# Altium PCB Trepanat.PcbDoc (part 3 of 3)
Units mm, origin at the board's own origin, x right, y up, seen from the top; angles counter-clockwise.
Board outline 250 x 222.12 mm, 4 copper layers (Top Signal Layer, Power Layer, Ground Layer, Bottom Signal Layer), stack 0.778 mm thick; 334 components, 101 nets, 1026 pads, 524 vias.
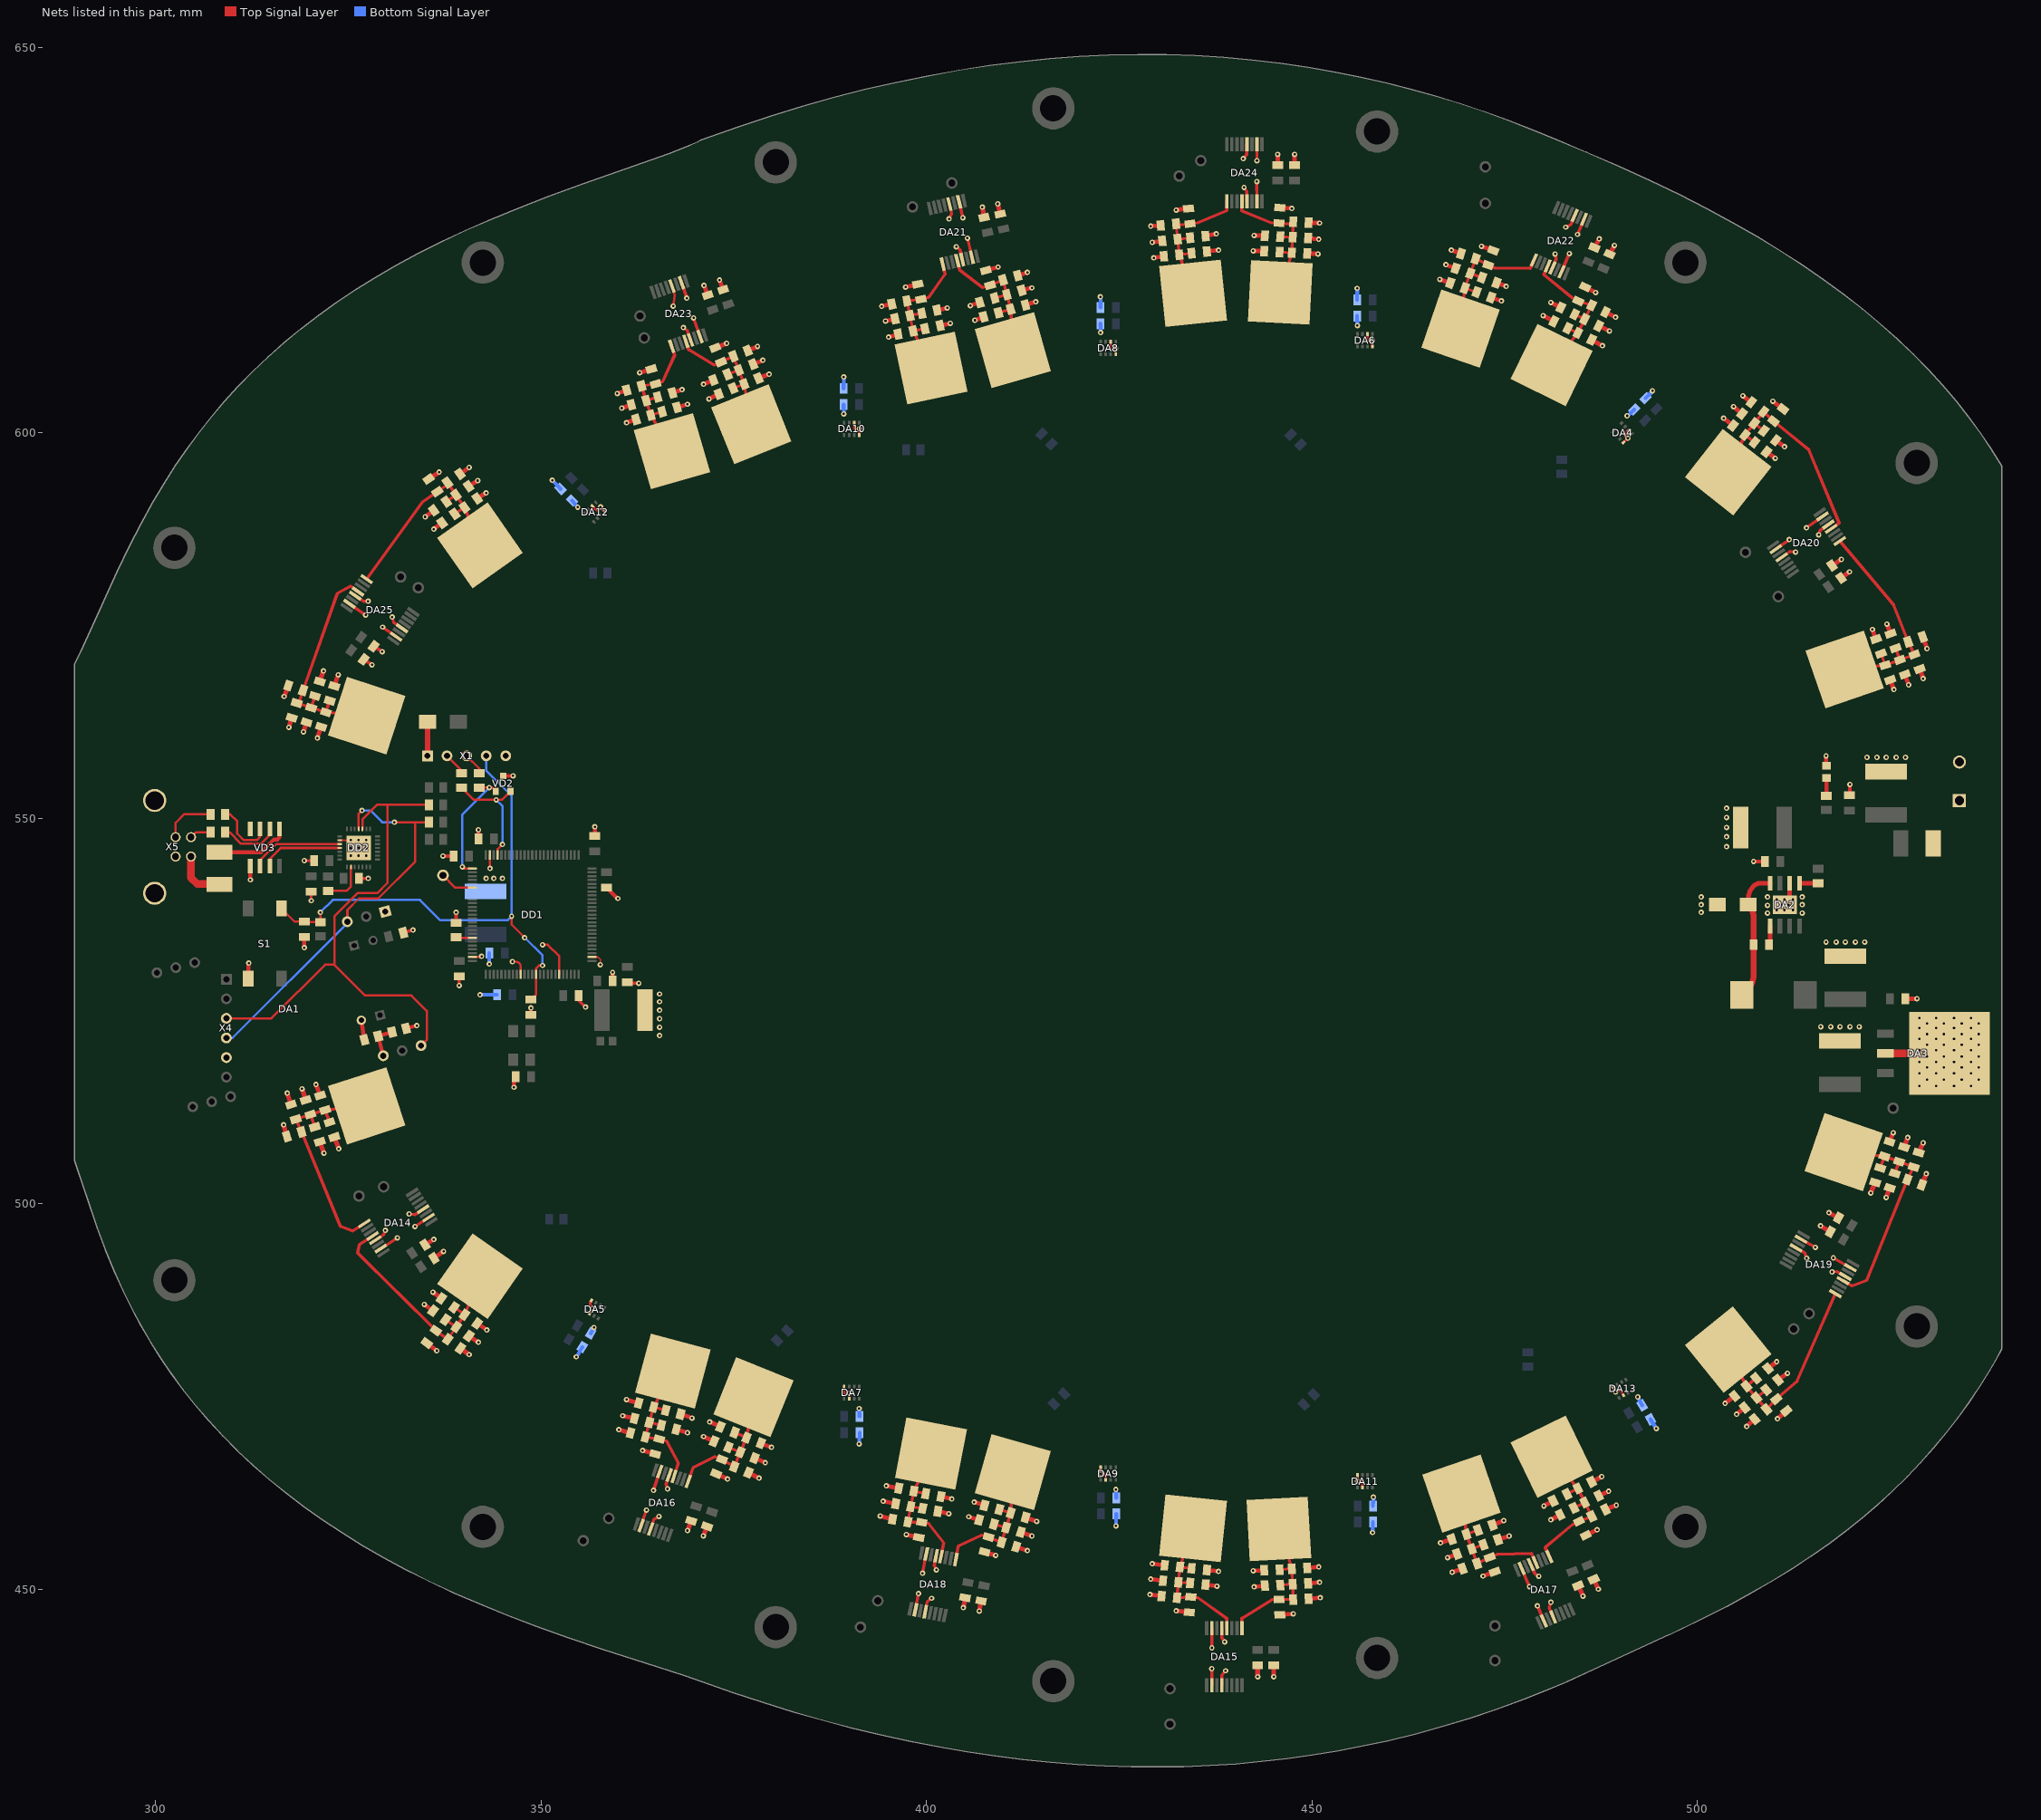
[diagram p5: the nets of this part, all layers, seen from the top]

## Via types
v1: diameter 0.7, hole 0.3, Top Signal Layer to Bottom Signal Layer, tented both sides, 512 vias
v2: diameter 1.5, hole 0.7, Top Signal Layer to Bottom Signal Layer, tented both sides, 12 vias

## Nets (pads, with @x,y where several pads share a name; then routed paths per layer and width w, separated by ;. In a path a pad name is that pad's centre, name@x,y a point inside that pad or via, vN(x,y) a via of type N, cw(c..) or ccw(c..) an arc to the next point about the centre after c; other vN are vias at no path point) (continued)
NetC23_1: C23.1 DA2.8 L2.1 VD5.1 | length 17.2
  Top Signal Layer w0.6: VD5.1@506.6,538.8 506.6,539.51 cw(c508.99,539.51) 507.3,541.2 cw(c508.217,540.283) 508.217,541.58 DA2.8@509.445,541.58
  Top Signal Layer w0.75: L2.1@505.8,527.1 506.556,527.856 ccw(c504.76,529.652) 507.3,529.652 C23.1@507.3,533.6 507.3,537.11 ccw(c504.91,537.11) VD5.1@506.6,538.8
NetC23_2: C23.2 DA2.1 | length 2.5
  Top Signal Layer w0.6: C23.2@509.2,533.6 ccw(c508.609,534.191) 509.445,534.191 DA2.1@509.445,536.02
NetC49_1: C49.1 C50.1 C51.1 C52.1 C53.1 C54.1 DA14.1 DD3.1 | length 31.4
  Top Signal Layer w0.3: C49.1@322.003,512.158 C49.1@322.013,512.158
  Top Signal Layer w0.4: C52.1@320.685,509.961 C51.1@320.103,511.558 ; C50.1@322.585,510.561 C49.1@322.003,512.158 ; DA14.1@327.108,497.443 325.575,496.475 324,497.075 C54.1@318.962,509.315 C53.1@318.203,510.958 C51.1@320.103,511.558 ; DD3.1@327.4,512.7 C49.1@322.003,512.158 ; C51.1@320.103,511.558 C49.1@322.003,512.158
NetC55_1: C55.1 C56.1 C57.1 C58.1 C59.1 C60.1 DA15.4 DD4.1 | length 21
  Top Signal Layer w0.4: C59.1@434.205,450.805 C57.1@432.695,450.895 ; C58.1@434.405,452.705 C55.1@432.895,452.895 ; DD4.1@434.6,457.9 C55.1@432.895,452.895 ; DA15.4@438.975,444.95 438.975,446.225 435.227,448.875 C60.1@434.305,448.995 C56.1@432.495,448.895 C57.1@432.695,450.895 ; C57.1@432.695,450.895 C55.1@432.895,452.895
NetC61_2: C61.2 C62.2 C63.2 C64.2 C65.2 C66.2 DA14.4 DD5.1 | length 31.9
  Top Signal Layer w0.3: C62.2@337.91,482.409 C64.2@339.01,484.009
  Top Signal Layer w0.4: DA14.4@328.17,495.807 326.475,494.725 326.225,493.625 C61.2@336.373,483.54 C62.2@337.91,482.409 ; C63.2@337.648,484.961 C64.2@339.01,484.009 C66.2@340.11,485.609 ; C65.2@338.748,486.561 C66.2@340.11,485.609 ; DD5.1@342.1,490.6 C66.2@340.11,485.609
NetC67_2: C67.2 C68.2 C69.2 C70.2 C71.2 C72.2 DA15.1 DD6.1 | length 21.5
  Top Signal Layer w0.4: DA15.1@440.925,444.95 440.925,446.225 444.82,448.625 C72.2@445.748,448.699 C69.2@447.601,448.648 C68.2@447.501,450.648 ; C70.2@445.799,452.552 C67.2@447.401,452.648 ; DD6.1@445.81,458.11 C67.2@447.401,452.648 ; C71.2@445.899,450.552 C68.2@447.501,450.648 ; C67.2@447.401,452.648 C68.2@447.501,450.648
NetC77_1: C77.1 C78.1 C79.1 C80.1 C81.1 C82.1 DA16.4 DD7.1 | length 19.5
  Top Signal Layer w0.4: C80.1@365.634,471.259 C79.1@364.066,471.641 ; C78.1@366.189,473.225 C77.1@364.621,473.607 ; DD7.1@367.1,478.3 C77.1@364.621,473.607 ; 367.553,465.492 367.825,466.325 366.3,469.2 C82.1@365.359,469.466 C81.1@363.566,469.741 C79.1@364.066,471.641 ; C79.1@364.066,471.641 C77.1@364.621,473.607
NetC83_1: C83.1 C84.1 C85.1 C86.1 C87.1 C88.1 DA17.4 DD8.1 | length 21.2
  Top Signal Layer w0.4: DD8.1@469.4,462.4 C83.1@470.046,457.126 ; C86.1@471.554,457.674 C83.1@470.046,457.126 ; C87.1@472.254,455.774 C84.1@470.746,455.226 ; DA17.4@479.003,453.458 478.5,454.625 474.025,454.5 C88.1@473.074,454.146 C85.1@471.446,453.326 C84.1@470.746,455.226 ; C83.1@470.046,457.126 C84.1@470.746,455.226
NetC89_2: C89.2 C90.2 C91.2 C92.2 C93.2 C94.2 DA16.1 DD9.1 | length 20.7
  Top Signal Layer w0.4: DA16.1@369.106,463.983 369.744,465.77 372.55,467.2 C89.2@373.475,466.827 C90.2@375.073,465.875 C92.2@375.873,467.775 ; C91.2@374.327,468.425 C92.2@375.873,467.775 ; C93.2@375.127,470.325 C94.2@376.673,469.675 ; DD9.1@377.55,474.9 C94.2@376.673,469.675 ; C92.2@375.873,467.775 C94.2@376.673,469.675
NetC95_2: C95.2 C96.2 C97.2 C98.2 C99.2 C100.2 DA17.1 DD10.1 | length 21.2
  Top Signal Layer w0.4: DA17.1@480.798,454.22 480.275,455.425 483.825,458.393 C100.2@484.662,458.799 C97.2@486.301,459.462 C96.2@485.401,461.262 ; DD10.1@481.1,467.2 C95.2@484.501,463.062 ; C98.2@483.099,462.338 C95.2@484.501,463.062 ; C99.2@483.999,460.538 C96.2@485.401,461.262 ; C95.2@484.501,463.062 C96.2@485.401,461.262
NetC105_1: C105.1 C106.1 C107.1 C108.1 C109.1 C110.1 DA18.4 DD11.1 | length 20.3
  Top Signal Layer w0.4: C109.1@399.518,460.491 C106.1@397.982,460.709 ; C108.1@399.918,462.391 C105.1@398.382,462.709 ; DD11.1@400.6,467.6 C105.1@398.382,462.709 ; DA18.4@401.9,454.22 402.25,456.025 400.303,458.5 C110.1@399.391,458.682 C107.1@397.582,458.709 C106.1@397.982,460.709 ; C106.1@397.982,460.709 C105.1@398.382,462.709
NetC111_1: C111.1 C112.1 C113.1 C114.1 C115.1 C116.1 DA19.1 DD12.1 | length 30.3
  Top Signal Layer w0.4: DD12.1@504,481.1 C111.1@506.366,476.343 ; C114.1@507.634,477.357 C111.1@506.366,476.343 ; C115.1@508.934,475.857 C112.1@507.666,474.843 ; DA19.1@517.917,488.33 512.925,476.975 C116.1@510.257,474.666 C113.1@508.966,473.343 C112.1@507.666,474.843 ; C111.1@506.366,476.343 C112.1@507.666,474.843
NetC117_2: C117.2 C118.2 C119.2 C120.2 C121.2 C122.2 DA18.1 DD13.1 | length 20.3
  Top Signal Layer w0.4: DA18.1@403.814,453.848 404.15,455.6 407.184,457.025 C122.2@408.076,456.761 C119.2@409.744,456.092 C118.2@410.344,457.992 ; C121.2@408.761,458.424 C118.2@410.344,457.992 ; C120.2@409.461,460.324 C117.2@410.944,459.892 ; DD13.1@411.2,465.2 C117.2@410.944,459.892 ; C118.2@410.344,457.992 C117.2@410.944,459.892
NetC123_2: C123.2 C124.2 C125.2 C126.2 C127.2 C128.2 DA19.4 DD14.1 | length 31.9
  Top Signal Layer w0.4: DA19.4@518.892,490.019 520.075,489.35 521.947,490.036 C128.2@527.26,503.142 C125.2@528.074,504.754 C124.2@526.174,505.454 ; DD14.1@519,506.7 C123.2@524.274,506.154 ; C126.2@523.726,504.646 C123.2@524.274,506.154 ; C127.2@525.626,503.946 C124.2@526.174,505.454 ; C123.2@524.274,506.154 C124.2@526.174,505.454
NetC133_1: C133.1 C134.1 C135.1 C136.1 C137.1 C138.1 DA20.1 DD15.1 | length 30.4
  Top Signal Layer w0.4: DA20.1@518.486,585.959 525.437,577.744 C138.1@527.354,572.874 C135.1@528.158,571.24 C134.1@526.274,570.546 ; DD15.1@519.1,569.3 C133.1@524.374,569.846 ; C136.1@523.826,571.354 C133.1@524.374,569.846 ; C137.1@525.726,572.054 C134.1@526.274,570.546 ; C133.1@524.374,569.846 C134.1@526.274,570.546
NetC139_1: C139.1 C140.1 C141.1 C142.1 C143.1 C144.1 DA21.4 DD16.1 | length 20.4
  Top Signal Layer w0.4: DA21.4@404.016,622.322 404.3,621.125 407.3,618.825 C144.1@408.276,619.139 C141.1@409.939,619.824 C140.1@410.439,617.924 ; C143.1@408.861,617.476 C140.1@410.439,617.924 ; C142.1@409.361,615.576 C139.1@410.939,616.024 ; DD16.1@411.2,610.7 C139.1@410.939,616.024 ; C140.1@410.439,617.924 C139.1@410.939,616.024
NetC145_2: C145.2 C146.2 C147.2 C148.2 C149.2 C150.2 DA20.4 DD17.1 | length 31.5
  Top Signal Layer w0.4: DD17.1@504,594.9 C148.2@506.188,599.728 ; C145.2@507.412,598.759 C148.2@506.188,599.728 ; C146.2@508.612,600.259 C149.2@507.388,601.228 ; DA20.4@517.367,587.556 518.4,588.275 514.45,597.8 C150.2@509.884,601.512 C147.2@508.588,602.728 C149.2@507.388,601.228 ; C148.2@506.188,599.728 C149.2@507.388,601.228
NetC151_2: C151.2 C152.2 C153.2 C154.2 C155.2 C156.2 DA21.1 DD18.1 | length 20.4
  Top Signal Layer w0.4: C155.2@399.422,615.492 C152.2@397.878,615.208 ; C154.2@399.822,613.492 C151.2@398.278,613.208 ; DD18.1@400.6,608.4 C151.2@398.278,613.208 ; DA21.1@402.116,621.883 402.425,620.575 400.275,617.55 C156.2@399.308,617.322 C153.2@397.478,617.108 C152.2@397.878,615.208 ; C152.2@397.878,615.208 C151.2@398.278,613.208
NetC161_1: C161.1 C162.1 C163.1 C164.1 C165.1 C166.1 DA22.4 DD19.1 | length 21
  Top Signal Layer w0.4: DA22.4@480.605,621.646 480.1,620.5 483.734,617.525 C166.1@484.562,617.101 C163.1@486.301,616.538 C162.1@485.401,614.738 ; DD19.1@481.1,608.8 C161.1@484.501,612.938 ; C164.1@483.199,613.562 C161.1@484.501,612.938 ; C165.1@484.099,615.362 C162.1@485.401,614.738 ; C161.1@484.501,612.938 C162.1@485.401,614.738
NetC167_1: C167.1 C168.1 C169.1 C170.1 C171.1 C172.1 DA23.4 DD20.1 | length 20
  Top Signal Layer w0.4: DA23.4@368.797,611.846 369.175,610.75 372.5,608.8 C172.1@373.375,609.173 C169.1@374.973,609.925 C168.1@375.673,608.125 ; C171.1@374.227,607.575 C168.1@375.673,608.125 ; C170.1@374.927,605.775 C167.1@376.373,606.325 ; DD20.1@377.3,601.1 C167.1@376.373,606.325 ; C168.1@375.673,608.125 C167.1@376.373,606.325
NetC173_2: C173.2 C174.2 C175.2 C176.2 C177.2 C178.2 DA22.1 DD21.1 | length 21.1
  Top Signal Layer w0.4: DD21.1@469.3,613.5 C173.2@469.846,618.774 ; C176.2@471.36,618.242 C173.2@469.846,618.774 ; C177.2@472.06,620.142 C174.2@470.546,620.674 ; DA22.1@478.81,622.408 478.35,621.325 473.727,621.375 C178.2@472.874,621.754 C175.2@471.246,622.574 C174.2@470.546,620.674 ; C173.2@469.846,618.774 C174.2@470.546,620.674
NetC179_2: C179.2 C180.2 C181.2 C182.2 C183.2 C184.2 DA23.1 DD22.1 | length 20.3
  Top Signal Layer w0.4: C183.2@365.139,604.624 C180.2@363.661,604.176 ; C182.2@365.739,602.724 C179.2@364.261,602.276 ; DA23.1@366.954,611.211 367.35,610.075 365.775,606.625 C184.2@364.876,606.339 C181.2@363.061,606.076 C180.2@363.661,604.176 ; DD22.1@367,597.6 C179.2@364.261,602.276 ; C180.2@363.661,604.176 C179.2@364.261,602.276
NetC189_1: C189.1 C190.1 C191.1 C192.1 C193.1 C194.1 DA24.4 DD23.1 | length 20.5
  Top Signal Layer w0.4: DA24.4@440.925,630.025 440.925,628.775 444.725,627.225 C194.1@445.748,627.201 447.563,627.002 447.584,627 C190.1@447.501,625.352 ; C192.1@445.799,623.448 C189.1@447.401,623.352 ; C193.1@445.899,625.448 C190.1@447.501,625.352 ; DD23.1@445.9,618.2 C189.1@447.401,623.352 ; C189.1@447.401,623.352 C190.1@447.501,625.352
NetC195_1: C195.1 C196.1 C197.1 C198.1 C199.1 C200.1 DA25.1 DD24.1 | length 28.5
  Top Signal Layer w0.4: DA25.1@327.399,581.011 334.63,591.014 C200.1@336.574,592.381 C197.1@337.999,593.353 ; C199.1@337.719,591.074 C196.1@338.981,591.926 ; C197.1@338,593.353 C196.1@338.981,591.926 ; C198.1@338.819,589.474 C195.1@340.081,590.326 ; DD24.1@342.1,585.4 C195.1@340.081,590.326 ; C196.1@338.981,591.926 C195.1@340.081,590.326
NetC201_2: C201.2 C202.2 C203.2 C204.2 C205.2 C206.2 DA24.1 DD25.1 | length 20.5
  Top Signal Layer w0.4: C205.2@434.205,625.295 C202.2@432.595,625.105 ; C204.2@434.405,623.295 C201.2@432.795,623.105 ; DD25.1@434.6,618.1 C201.2@432.795,623.105 ; DA24.1@438.975,630.025 438.975,628.825 435.175,627.225 C206.2@434.205,627.105 432.418,626.902 432.415,626.901 C202.2@432.595,625.105 ; C202.2@432.595,625.105 C201.2@432.795,623.105
NetC207_2: C207.2 C208.2 C209.2 C210.2 C211.2 C212.2 DA25.4 DD26.1 | length 30.4
  Top Signal Layer w0.4: C211.2@320.691,565.849 C208.2@320.209,564.351 ; C210.2@322.591,565.249 C207.2@322.109,563.751 ; DA25.4@326.281,579.413 325.3,580.1 323.575,579.15 C212.2@319.151,566.591 318.588,564.863 C208.2@320.209,564.351 ; DD26.1@327.4,563.3 C207.2@322.109,563.751 ; C208.2@320.209,564.351 C207.2@322.109,563.751
NetDA1_3: DA1.3 DD2.24 R11.2 X4.3 | length 71.9
  Top Signal Layer w0.3: X4.3@309.2,524.04 315.04,524.04 322,531 323.2,531 ; DD2.24@326.858,548.6 326.858,549.858 328.744,551.744 330.1,551.744 ; DA1.3@334.459,520.513 335.2,521.255 335.2,525 333.2,527 327.2,527 323.2,531 ; R11.2@335.474,551.744 330.1,551.744 ; 323.2,531 323.2,537.3 326.2,540.3 328.8,540.3 330.1,541.6 330.1,551.744
NetDA1_4: DA1.4 DD2.25 R10.2 X4.4 | length 51.9
  Top Signal Layer w0.3: DA1.4@324.893,536.585 324.9,536.592 324.9,538.1 326.4,539.6 328.9,539.6 333.7,544.4 333.7,549.494 ; DD2.25@326.358,548.6 326.358,550.558 v1@326.8,551 ; v1(331,549.494) 333.7,549.494 ; R10.2@335.474,549.494 333.7,549.494
  Bottom Signal Layer w0.3: X4.4@309.2,521.5 309.99,521.5 324.893,536.403 DA1.4@324.893,536.585 ; v1(326.806,551.006) 327.906,551.006 329.418,549.494 v1(331,549.494)
NetDA1_5: DA1.5 R5.2 R6.2 | length 4.5
  Top Signal Layer w0.5: DA1.5@329.552,519.199 R5.2@328.893,521.739 R6.2@330.707,522.261
NetDA2_5: DA2.5 R15.2 | length 2.4
  Top Signal Layer w0.6: DA2.5@513.255,541.58 513.26,541.575 R15.2@515.65,541.575
NetDD1_81: DD1.81 KT1.1 | length 4.5
  Top Signal Layer w0.3: KT1.1@337.3,542.6 338.9,541 DD1.81@341.125,541
NetDD1_94: DD1.94 R4.1 | length 2.2
  Top Signal Layer w0.3: R4.1@339,534.575 339,534.5 DD1.94@341.125,534.5
NetDD2_3: DD2.3 VD3.6 | length 12
  Top Signal Layer w0.3: VD3.6@313.565,543.8 313.565,544.565 315.65,546.65 DD2.3@323.908,546.65
NetDD2_4: DD2.4 VD3.7 | length 10.6
  Top Signal Layer w0.3: VD3.7@314.835,543.8 314.835,544.735 316.25,546.15 DD2.4@323.908,546.15
NetDD2_9: DD2.9 R7.2 | length 5.7
  Top Signal Layer w0.3: R7.2@322.4,540.575 324.775,540.575 325.358,541.158 DD2.9@325.358,543.7
NetFU1_1: FU1.1 X5.1 | length 6.8
  Top Signal Layer w1: X5.1@304.61,545.04 304.61,542.29 305.4,541.5 308.2,541.5 FU1.1@308.3,541.4
NetFU1_2: FU1.2 VD3.1 | length 9.7
  Top Signal Layer w0.5: FU1.2@308.3,545.6 313.721,545.6 315.372,547.25 315.85,547.25 316.1,547.5 316.1,548.595 VD3.1@316.105,548.6
NetFU2_1: FU2.1 X6.1
NetR2_2: R2.2 X1.2 | length 3.1
  Top Signal Layer w0.3: X1.2@337.82,558.1 339.7,556.22 R2.2@339.7,555.825
NetR3_2: R3.2 X1.3 | length 3
  Top Signal Layer w0.3: X1.3@340.36,558.1 342,556.46 R3.2@342,555.825
NetR5_1: R5.1 X3.2 | length 2.6
  Top Signal Layer w0.5: X3.2@326.7,523.8 R5.1@327.106,521.261
NetR12_1: R12.1 X5.2 | length 2.8
  Top Signal Layer w0.3: X5.2@304.61,547.541 305.269,548.2 R12.1@307.175,548.2
NetR12_2: R12.2 VD3.2 | length 7.7
  Top Signal Layer w0.3: R12.2@309.025,548.2 309.6,548.2 311.1,546.7 313.7,546.7 314.835,547.835 VD3.2@314.835,548.6
NetR13_1: R13.1 X5.3 | length 6.9
  Top Signal Layer w0.3: X5.3@302.61,547.541 302.61,549.41 303.7,550.5 R13.1@307.175,550.5
NetR13_2: R13.2 VD3.3 | length 8
  Top Signal Layer w0.3: R13.2@309.025,550.5 309.7,550.5 310.6,549.6 310.6,548 311.4,547.2 313.2,547.2 313.5,547.5 313.5,548.535 VD3.3@313.565,548.6
NetR14_2: R14.2 VD4.1 | length 2.3
  Top Signal Layer w0.5: R14.2@516.75,552.925 VD4.1@516.75,555.2
NetVD1_1: VD1.1 X1.1 | length 4.3
  Top Signal Layer w0.75: X1.1@335.28,558.1 335.3,558.12 VD1.1@335.3,562.4
NetVD3_4: VD3.4 X5.4
NRST: C1.1 C2.2 DD1.14 R1.1 S1.4 X1.4 | length 69.3
  Top Signal Layer w0.3: S1.4@316.35,538.3 318.05,536.6 C2.2@319.3,536.6 319.375,536.525 R1.1@321.4,536.525 v1(321.4,537.8) ; v1(346.2,537.3) 346.2,536.2 v1(347.9,534.5) ; C1.1@348.7,526.5 349.375,527.175 DD1.14@349.375,529.75 349.375,530.533 349.742,530.9 v1(350.2,530.9)
  Bottom Signal Layer w0.3: v1(321.4,537.8) 323,539.4 334.3,539.4 336.9,536.8 345.7,536.8 v1(346.2,537.3) 346.2,552.9 342.9,556.2 X1.4@342.9,558.1 ; v1(347.9,534.5) 350.2,532.2 v1(350.2,530.9)
SGND: C1.2 C2.1 C3.1 C4.1 C5.2 C6.1 C7.1 C8.1 C9.1 C10.1 C11.1 C12.1 C14.2 C15.2 C16.2 C17.1 C18.1 C19.1 C20.2 C21.2 C22.1 C24.2 C25.1 C26.2 C27.1 C28.2 C29.1 C30.1 C31.1 C32.1 C33.1 C34.1 C35.1 C36.1 C37.1 C38.1 C39.1 C40.1 C41.1 C42.1 C43.1 C44.1 C45.1 C46.1 C47.1 C48.1 C49.2 C50.2 C51.2 C52.2 C53.2 C54.2 C55.2 C56.2 C57.2 C58.2 C59.2 C60.2 C61.1 C62.1 C63.1 C64.1 C65.1 C66.1 C67.1 C68.1 C69.1 C70.1 C71.1 C72.1 C73.1 C74.1 C75.1 C76.1 C77.2 C78.2 C79.2 C80.2 C81.2 C82.2 C83.2 C84.2 C85.2 C86.2 C87.2 C88.2 C89.1 C90.1 C91.1 C92.1 C93.1 C94.1 C95.1 C96.1 C97.1 C98.1 C99.1 C100.1 C101.1 C102.1 C103.1 C104.1 C105.2 C106.2 C107.2 C108.2 C109.2 C110.2 C111.2 C112.2 C113.2 C114.2 C115.2 C116.2 C117.1 C118.1 C119.1 C120.1 C121.1 C122.1 C123.1 C124.1 C125.1 C126.1 C127.1 C128.1 C129.1 C130.1 C131.1 C132.1 C133.2 C134.2 C135.2 C136.2 C137.2 C138.2 C139.2 C140.2 C141.2 C142.2 C143.2 C144.2 C145.1 C146.1 C147.1 C148.1 C149.1 C150.1 C151.1 C152.1 C153.1 C154.1 C155.1 C156.1 C157.1 C158.1 C159.1 C160.1 C161.2 C162.2 C163.2 C164.2 C165.2 C166.2 C167.2 C168.2 C169.2 C170.2 C171.2 C172.2 C173.1 C174.1 C175.1 C176.1 C177.1 C178.1 C179.1 C180.1 C181.1 C182.1 C183.1 C184.1 C185.1 C186.1 C187.1 C188.1 C189.2 C190.2 C191.2 C192.2 C193.2 C194.2 C195.2 C196.2 C197.2 C198.2 C199.2 C200.2 C201.1 C202.1 C203.1 C204.1 C205.1 C206.1 C207.1 C208.1 C209.1 C210.1 C211.1 C212.1 C213.1 C214.1 C215.1 C216.1 DA1.2 DA2.6 DA3.2 DA3.4 DA4.1 DA4.7 DA5.1 DA5.7 DA6.1 DA6.7 DA7.1 DA7.7 DA8.1 DA8.7 DA9.1 DA9.7 DA10.1 DA10.7 DA11.1 DA11.7 DA12.1 DA12.7 DA13.1 DA13.7 DA14.5 DA14.7 DA14.10 DA14.12 DA15.5 DA15.7 DA15.10 DA15.12 DA16.5 DA16.7 DA16.10 DA16.12 DA17.5 DA17.7 DA17.10 DA17.12 DA18.5 DA18.7 DA18.10 DA18.12 DA19.5 DA19.7 DA19.10 DA19.12 DA20.5 DA20.7 DA20.10 DA20.12 DA21.5 DA21.7 DA21.10 DA21.12 DA22.5 DA22.7 DA22.10 DA22.12 DA23.5 DA23.7 DA23.10 DA23.12 DA24.5 DA24.7 DA24.10 DA24.12 DA25.5 DA25.7 DA25.10 DA25.12 DD1.10 DD1.20 DD1.27 DD1.74 DD1.99 DD2.2 R4.2 R6.1 S1.1 VD2.3 VD3.5 VD4.2 VD5.2 X1.5 X4.5 X6.2 | length 458.5
  Top Signal Layer w0.2: DD2.2@323.908,547.15 324.306,547.15 cw(c324.306,544.61) 326.102,546.407 DD2.2@326.358,546.15 ; DD1.27@356.625,532 357.4,532 357.7,531.7 v1(357.7,531)
  Top Signal Layer w0.28: DD1.74@343.375,545.25 343.375,543.525 v1(343.4,543.5) ; v1(346.3,531.4) 346.717,531.4 cw(c346.717,530.717) 347.2,531.2 cw(c346.777,530.777) 347.375,530.777 DD1.10@347.375,529.75
  Top Signal Layer w0.3: DD1.99@341.125,532 342.2,532 v1(342.3,532.1) ; v1(350.2,533.6) 350.875,533.6 352.375,532.1 DD1.20@352.375,529.75 ; v1(367.159,616.429) 367.337,617.8 DA23.12@367.244,618.3
  Top Signal Layer w0.35: DA5.7@356.319,485.77 v1(356.7,486.4) cw(c357.424,487.124) 356.4,487.124 356.4,487.2 DA5.1@356.556,487.48 ; DA12.7@356.664,590.495 357.078,590.082 ccw(c357.275,590.279) 357.275,590 ccw(c357.275,590.181) 357.403,590.053 v1(357.725,590.375) ccw(c357.776,590.375) 357.74,590.339 DA12.1@358.255,589.824 ; DA7.1@389.325,476.3 389.325,475.55 ccw(c389.375,475.55) 389.375,475.5 ccw(c389.45,475.5) 389.45,475.425 v1(389.975,475.425) DA7.7@389.975,474.7 ; DA10.7@390.625,601.3 390.625,600.741 ccw(c390.966,600.741) 390.725,600.5 v1(391.275,600.5) DA10.1@391.275,599.7 ; DA9.1@422.625,465.8 v1(422.625,465) 422.898,465 cw(c422.898,464.573) 423.2,464.875 cw(c423.019,464.694) 423.275,464.694 DA9.7@423.275,464.2 ; DA8.7@423.925,611.8 423.925,611.181 ccw(c424.181,611.181) 424,611 ccw(c424.121,611.121) 424.121,610.95 v1(424.575,610.95) DA8.1@424.575,610.2 ; DA11.1@455.929,464.8 455.929,464.004 v1(455.925,464) 456.344,464 cw(c456.344,463.744) 456.525,463.925 cw(c456.395,463.795) 456.579,463.795 DA11.7@456.579,463.2 ; DA6.7@457.229,612.8 457.229,612.186 ccw(c457.386,612.186) 457.275,612.075 ccw(c457.516,612.316) 457.516,611.975 v1(457.875,611.975) 457.875,611.204 DA6.1@457.879,611.2 ; DA13.1@489.056,476.205 v1(489.4,475.575) 489.725,475.75 cw(c489.785,475.69) 489.785,475.775 489.95,475.775 cw(c489.95,475.654) 490.035,475.74 490.125,475.65 DA13.7@490.419,475.145 ; DA4.1@490.424,598.745 v1(491,599.3) 490.65,599.6 cw(c490.831,599.781) 490.575,599.781 490.575,599.85 490.675,599.95 DA4.7@491.095,600.336
  Top Signal Layer w0.4: v1@319.3,544.5 C19.1@320.6,544.5 ; v1@320.2,539.3 C18.1@320.2,540.5 ; DA25.7@325.162,577.816 v1(327.266,576.355) ; DA25.5@325.908,578.881 326.972,578.15 v1(327.589,578.157) ; C20.2@326.4,542.2 v1@327.6,542.2 ; DA14.5@328.524,495.262 329.6,495.975 v1(329.825,496.55) ; DA14.7@329.232,494.172 v1(331.375,495.575) ; v1@329.495,574.775 DA25.10@331.224,573.572 ; v1(330.711,576.102) 330.89,575.392 DA25.12@331.969,574.637 ; v1(332.9,498.675) 333.625,498.575 DA14.12@334.73,499.293 ; v1(333.675,497.05) DA14.10@335.438,498.202 ; v1(339.4,528.3) C12.1@339.4,529.5 ; C7.1@354.9,527 354.9,526.4 v1(355.8,525.5) ; C9.1@361.27,528.6 v1(362.7,528.6) ; DA16.10@363.009,458.256 v1@363.689,460.249 ; DA16.12@364.238,457.832 364.667,459.078 v1(365.3,459.446) ; v1(364.593,462.828) DA16.7@365.418,465.252 ; v1(366.415,463.013) 366.238,463.605 DA16.5@366.647,464.829 ; DA23.10@368.232,619.477 v1@368.923,617.488 ; v1(368.477,613.631) 368.981,613.274 DA23.5@369.412,612.057 ; v1(369.798,614.899) DA23.7@370.641,612.481 ; DA18.10@398.574,447.328 v1@398.97,449.397 ; v1(399.506,452.076) DA18.7@399.986,454.592 ; DA18.12@399.85,447.08 400.101,448.373 v1(400.677,448.825) ; DA18.5@401.262,454.344 401.027,453.075 v1(401.284,452.514) ; v1(402.939,627.747) 403.281,628.394 DA21.12@402.984,629.678 ; v1(403.884,624.131) 404.347,623.723 DA21.5@404.649,622.468 ; DA21.10@404.251,629.971 v1@404.731,627.92 ; v1(405.33,625.254) DA21.7@405.916,622.76 ; v1@437.019,439.656 DA15.10@437.025,437.55 ; DA15.7@437.025,444.95 v1(437.034,442.389) ; DA15.12@438.325,437.55 438.325,438.868 v1(438.804,439.421) ; DA15.5@438.325,444.95 438.337,443.659 v1(438.696,443.157) ; v1(441.096,635.554) 441.575,636.107 DA24.12@441.575,637.425 ; v1(441.204,631.817) 441.563,631.316 DA24.5@441.575,630.025 ; v1(442.866,632.586) DA24.7@442.875,630.025 ; DA24.10@442.875,637.425 v1@442.881,635.319 ; DA17.7@477.208,452.696 v1(478.218,450.342) ; DA17.5@478.405,453.204 478.92,452.02 v1(479.447,451.699) ; v1@479.271,447.821 DA17.10@480.1,445.884 ; v1(481.006,448.302) 480.782,447.605 DA17.12@481.297,446.392 ; DA22.5@481.203,621.392 481.697,622.585 v1(481.562,623.187) ; DA22.7@482.4,620.884 v1(483.392,623.246) ; v1(482.923,626.668) 483.58,626.991 DA22.12@484.095,628.204 ; v1@484.474,625.755 DA22.10@485.292,627.696 ; DA20.10@510.187,584.909 v1@511.909,586.122 ; DA20.12@510.933,583.844 512.012,584.6 v1(512.74,584.525) ; DA19.12@512.808,494.281 513.949,493.623 v1(514.189,492.931) ; DA19.10@513.458,495.407 v1@515.285,494.36 ; v1(514.156,587.676) DA20.7@516.249,589.153 ; v1(515.739,586.756) 515.944,587.339 DA20.5@516.994,588.088 ; v1(517.479,491.156) 518.093,491.217 DA19.5@519.217,490.581 ; v1(517.644,492.98) DA19.7@519.867,491.707
  Top Signal Layer w0.5: S1.1@312.05,529.2 312.05,531.15 v1(312.1,531.2) ; VD3.5@312.295,543.8 312.295,542.005 v1@312.3,542 ; v1(319.3,533.2) C2.1@319.3,534.6 ; C216.1@327.009,570.612 v1(328.1,569.9) ; C215.1@328.309,572.312 v1(329.4,571.6) ; C17.1@332.166,535.159 v1@333.4,535.5 ; R6.1@332.494,522.739 v1(333.9,523.1) ; v1(337.3,545.1) C11.1@338.7,545.1 ; R4.2@339,536.425 v1(339,537.8) ; C4.1@341.9,547.3 v1(341.9,548.5) ; VD2.3@345.1,555.5 v1(346.4,555.5) ; v1(346.5,515.1) 346.5,516.447 C15.2@346.553,516.5 ; C1.2@348.7,524.5 v1@348.7,525.5 ; C10.1@357,547.7 v1(357,548.9) ; C3.1@358.5,541 359.9,539.6 v1(360,539.6) ; C8.1@359.3,528.9 v1(359.3,530) ; v1(507.3,544.4) C25.1@508.75,544.4 ; v1(516.7,558.1) 516.7,556.85 VD4.2@516.75,556.8 ; C22.1@519.75,553 519.8,553.05 v1(519.8,554.4)
  Top Signal Layer w0.6: v1(316.626,510.247) C54.2@317.049,508.731 ; v1(316.7,565.8) C212.1@317.249,567.209 ; v1(317.098,514.34) C53.2@317.585,512.861 ; v1(317.3,561.8) C209.1@317.691,563.049 ; v1(319.008,514.906) C51.2@319.485,513.461 ; v1(319.2,561.2) C208.1@319.591,562.449 ; v1(320.818,515.475) C49.2@321.385,514.061 ; v1(321,560.4) C207.1@321.491,561.849 ; C52.2@321.303,508.058 v1(321.863,506.555) ; C211.1@321.309,567.751 v1(321.8,569.1) ; C50.2@323.203,508.658 v1(323.773,507.122) ; C210.1@323.209,567.151 v1(323.7,568.6) ; v1(334.885,486.931) C63.1@336.01,486.109 ; C73.1@334.967,494.683 v1(336.116,495.375) ; v1(335,589.1) C199.2@336.081,589.926 ; C61.1@335.197,481.922 v1(336.485,480.931) ; C200.2@335.426,594.019 v1(336.8,594.9) ; v1(335.985,488.531) C65.1@337.11,487.709 ; v1(336.1,587.5) C198.2@337.181,588.326 ; C74.1@336.125,492.926 v1(337.366,493.825) ; C197.2@339.519,594.674 v1(340.7,595.5) ; C62.1@339.548,481.261 v1(340.685,480.431) ; C196.2@340.619,593.074 v1(341.8,593.8) ; C64.1@340.648,482.861 v1(341.885,482.031) ; C195.2@341.719,591.474 v1(342.9,592.2) ; C66.1@341.748,484.461 v1(342.985,483.631) ; v1(359.9,605.1) C181.1@361.139,605.524 ; v1(360.1,470.7) C81.2@361.634,470.259 ; v1(360.5,603.2) C180.1@361.739,603.624 ; v1(360.6,472.5) C79.2@362.134,472.159 ; v1(361.1,474.6) C77.2@362.689,474.125 ; v1(361.1,601.3) C179.1@362.339,601.724 ; v1(362.8,607.8) C184.1@364.324,608.261 ; v1(363.2,468) C82.2@364.841,467.534 ; C183.1@367.061,605.176 v1(368.3,605.6) ; C80.2@367.566,470.741 v1(369,470.3) ; C182.1@367.661,603.276 v1(369,603.7) ; C78.2@368.121,472.707 v1(369.6,472.2) ; v1(369.019,457.608) C102.1@369.493,458.862 ; v1(371.069,456.908) C101.1@371.543,458.137 ; v1(371.1,469.8) C91.1@372.473,469.175 ; v1(371.1,606.3) C171.2@372.373,606.825 ; v1(371.165,619.108) C187.1@371.64,617.853 ; v1(371.8,604.4) C170.2@373.073,605.025 ; v1(371.9,471.7) C93.1@373.273,471.075 ; C172.2@372.625,611.027 v1(374.1,611.6) ; C89.1@372.725,464.973 v1(374.2,464.3) ; v1(373.165,619.808) C188.1@373.64,618.553 ; C169.2@376.827,610.675 v1(378.1,611.2) ; C90.1@376.927,465.125 v1(378.3,464.4) ; C168.2@377.527,608.875 v1(378.8,609.4) ; C92.1@377.727,467.025 v1(379.1,466.4) ; C167.2@378.227,607.075 v1(379.6,607.6) ; C94.1@378.527,468.925 v1(379.9,468.4) ; v1(394,459.5) C107.2@395.618,459.091 ; v1(394.2,616.4) C153.1@395.522,616.692 ; v1(394.4,461.4) C106.2@396.018,461.091 ; v1(394.7,614.5) C152.1@395.922,614.792 ; v1(394.8,463.4) C105.2@396.418,463.091 ; v1(395.1,612.4) C151.1@396.322,612.792 ; v1(397.3,618.9) C156.1@398.892,619.278 ; v1(397.4,457.1) C110.2@399.009,456.718 ; C155.1@401.378,615.908 v1(402.7,616.2) ; C109.2@401.482,460.109 v1(402.9,459.8) ; C154.1@401.778,613.908 v1(403.1,614.2) ; C108.2@401.882,462.009 v1(403.3,461.7) ; v1(404.785,447.6) C130.1@405.019,448.893 ; v1(405.5,459.4) C121.1@406.839,458.976 ; v1(405.7,616.5) C143.2@406.939,616.924 ; v1(406.2,461.3) C120.1@407.539,460.876 ; v1(406.3,614.6) C142.2@407.439,615.024 ; v1(406.86,447.175) C129.1@407.094,448.493 ; v1(407.262,629.261) C159.1@407.478,627.942 ; C122.1@407.524,454.839 v1(409,454.4) ; C144.2@407.724,621.061 v1(409.3,621.5) ; v1(409.255,629.695) C160.1@409.57,628.379 ; C119.1@411.656,455.508 v1(413.1,455) ; C141.2@411.861,620.376 v1(413.1,620.8) ; C118.1@412.256,457.408 v1(413.7,456.9) ; C140.2@412.361,618.476 v1(413.7,618.8) ; C117.1@412.856,459.308 v1(414.3,458.8) ; C139.2@412.861,616.576 v1(414.2,617) ; v1(429,449.3) C56.2@430.505,449.105 ; v1(429.1,451.3) C57.2@430.705,451.105 ; v1(429.1,626.8) C203.1@430.405,626.895 ; v1(429.3,453.3) C55.2@430.905,453.105 ; v1(429.3,624.7) C202.1@430.605,624.895 ; v1(429.5,622.7) C201.1@430.805,622.895 ; v1(432.4,447.2) C60.2@434.095,447.005 ; v1(432.4,628.9) C206.1@433.995,629.095 ; C59.2@436.195,450.595 v1(437.7,450.4) ; C205.1@436.195,625.505 v1(437.6,625.8) ; C58.2@436.395,452.495 v1(437.9,452.3) ; C204.1@436.395,623.505 v1(437.9,623.7) ; v1(442.4,452.4) C70.1@443.801,452.448 ; v1(442.4,623.6) C192.2@443.801,623.552 ; v1(442.5,450.3) C71.1@443.901,450.448 ; v1(442.5,625.6) C193.2@443.901,625.552 ; v1(442.971,438.65) C76.1@442.971,440.15 ; v1(445.071,438.65) C75.1@445.071,440.15 ; C213.1@445.575,634.704 v1(445.575,636.104) ; C72.1@445.852,446.701 v1(447.6,446.8) ; C194.2@445.852,629.199 v1(447.4,629.1) ; C214.1@447.775,634.704 v1(447.775,636.104) ; C67.1@449.399,452.752 v1(450.9,452.9) ; C189.2@449.399,623.248 v1(450.8,623.2) ; C68.1@449.499,450.752 v1(451,450.9) ; C190.2@449.499,625.248 v1(450.9,625.1) ; C69.1@449.599,448.752 v1(451.1,448.9) ; C191.2@449.599,627.248 v1(451,627.2) ; v1(466.6,619.9) C173.1@467.954,619.426 ; v1(466.7,456) C83.2@468.154,456.474 ; v1(467.4,621.8) C174.1@468.654,621.326 ; v1(467.6,454.1) C84.2@468.854,454.574 ; v1(468.1,623.7) C175.1@469.354,623.226 ; v1(468.2,452.2) C85.2@469.554,452.674 ; v1(472,624.2) C178.1@473.526,623.646 ; v1(472.2,451.7) C88.2@473.726,452.254 ; C176.1@473.24,617.558 v1(474.6,617.1) ; C86.2@473.446,458.326 v1(474.9,458.9) ; C177.1@473.94,619.458 v1(475.2,619) ; C87.2@474.146,456.426 v1(475.6,456.9) ; v1(480,615.2) C164.2@481.401,614.438 ; v1(480.1,460.8) C98.1@481.301,461.462 ; v1(481,459) C99.1@482.201,459.662 ; v1(481,616.9) C165.2@482.301,616.238 ; C104.1@484.55,450.471 v1(485.175,449.098) ; C166.2@485.438,618.899 v1(486.8,618.2) ; C100.1@485.538,457.001 v1(487,457.7) ; C95.1@486.299,463.938 v1(487.6,464.6) ; C161.2@486.299,612.062 v1(487.7,611.3) ; C103.1@486.566,451.278 v1(487.175,449.998) ; C185.1@486.666,624.021 v1(487.275,625.15) ; C96.1@487.199,462.138 v1(488.5,462.7) ; C162.2@487.199,613.862 v1(488.6,613.2) ; C97.1@488.099,460.338 v1(489.5,460.9) ; C163.2@488.099,615.662 v1(489.4,615) ; C186.1@488.616,623.171 v1(489.25,624.3) ; v1(503.4,601.9) C148.1@504.612,600.959 ; v1(503.6,474.1) C111.2@504.834,475.057 ; v1(504.7,603.4) C149.1@505.812,602.459 ; v1(505.1,472.7) C112.2@506.134,473.557 ; v1(505.9,604.8) C147.1@507.012,603.959 ; v1(506.4,471.1) C113.2@507.434,472.057 ; C145.1@508.988,597.528 v1(510.1,596.7) ; C114.2@509.166,478.643 v1(510.3,479.5) ; v1(509.8,604.1) C150.1@511.116,603.088 ; C146.1@510.188,599.028 v1(511.3,598.2) ; v1(510.4,472.1) C116.2@511.543,473.134 ; C115.2@510.466,477.143 v1(511.7,478) ; DA2.6@511.35,538.8 511.985,539.435 DA2.6@511.985,541.58 ; v1(515.992,497.123) C131.1@517.248,496.36 ; v1(517.062,498.842) C132.1@518.317,498.178 ; C158.1@517.473,582.786 v1(518.678,583.577) ; C157.1@518.645,581.165 v1(519.75,581.958) ; v1(522.5,501.4) C126.1@523.074,502.754 ; v1(522.7,574.5) C136.2@523.174,573.246 ; v1(524.5,500.8) C127.1@524.974,502.054 ; v1(524.6,575.2) C137.2@525.074,573.946 ; C123.1@524.926,508.045 v1(525.4,509.2) ; C133.2@525.026,567.954 v1(525.5,566.7) ; C124.1@526.826,507.346 v1(527.3,508.6) ; C134.2@526.926,568.654 v1(527.4,567.3) ; C27.1@527,526.6 v1(528.5,526.6) ; C125.1@528.726,506.646 v1(529.3,507.9) ; C135.2@528.842,569.36 v1(529.3,568.1) ; C128.1@529.14,502.458 v1(529.7,503.9) ; C138.2@529.246,573.526 v1(529.8,572)
  Top Signal Layer w1: DA3.2@524.4,519.5 DA3.4@532.715,519.5
  Bottom Signal Layer w0.5: v1(342.1,527.1) C16.2@344.3,527.1 ; v1(343.3,531.1) C6.1@343.3,532.5 ; v1@351.5,593.8 C46.1@352.543,592.718 ; C45.1@354.043,591.218 v1(354.775,590.341) ; v1@354.6,480.1 C31.1@355.366,481.4 ; C32.1@356.466,483.2 v1@356.9,483.9 ; C41.1@389.275,603.65 v1@389.3,602.5 ; C42.1@389.275,605.75 v1@389.3,607.2 ; v1@391.3,468.8 C35.1@391.35,470.3 ; v1@391.3,473.4 C36.1@391.325,472.4 ; C37.1@422.575,614.15 v1@422.6,613.2 ; C38.1@422.575,616.25 v1@422.6,617.6 ; v1@424.6,458.4 C39.1@424.625,459.775 ; v1@424.6,462.9 C40.1@424.625,461.85 ; C33.1@455.875,615.15 v1@455.9,614.1 ; C34.1@455.875,617.25 v1@455.9,618.7 ; v1@457.9,457.3 457.9,457.4 C43.1@457.925,458.7 ; C44.1@457.925,460.8 v1@458,461.9 ; v1(490.9,602.2) 491.011,602.2 C29.1@491.818,603.007 ; v1@492.3,474.9 C48.1@492.841,473.85 ; C30.1@493.293,604.482 v1@494.2,605.4 ; C47.1@493.941,472.05 v1@494.7,470.8
  other v1: 437.021,439.684 479.262,447.847 398.977,449.424 457.875,457.341 424.6,458.2 363.7,460.275 457.975,461.941 424.575,462.941 391.275,468.841 494.675,470.841 391.275,473.441 492.275,474.941 354.575,480.141 356.875,483.941 515.309,494.344 528.8,515.3 531,515.3 533.3,515.3 535.5,515.3 529.8,516.1 532,516.1 534.3,516.1 536.5,516.1 528.8,516.9 531,516.9 533.3,516.9 535.5,516.9 529.8,517.7 532,517.7 534.3,517.7 536.5,517.7 528.8,518.4 531,518.4 533.3,518.4 535.5,518.4 529.8,519.1 532,519.1 534.3,519.1 536.5,519.1 528.8,519.9 531,519.9 533.3,519.9 535.5,519.9 529.8,520.6 532,520.6 534.3,520.6 536.5,520.6 528.8,521.4 531,521.4 533.3,521.4 535.5,521.4 365.4,521.8 529.8,522 532,522 534.3,522 536.5,522 528.8,522.8 531,522.8 533.3,522.8 535.5,522.8 365.4,522.9 516,522.95 517.3,522.95 518.5,522.95 519.8,522.95 521,522.95 529.8,523.4 532,523.4 534.3,523.4 536.5,523.4 365.4,524 528.8,524.1 531,524.1 533.3,524.1 535.5,524.1 365.4,525.1 348.7,525.4 365.4,526.2 365.4,527.2 516.7,533.95 518,533.95 519.2,533.95 520.5,533.95 521.7,533.95 333.406,535.506 509.1,537.7 513.6,537.7 500.5,537.8 510.3,538.1 511.3,538.1 512.4,538.1 509.1,538.7 500.5,538.8 510.8,538.8 511.8,538.8 513.6,538.8 320.206,539.306 510.3,539.5 511.3,539.5 512.4,539.5 500.5,539.8 509.1,539.8 513.6,539.8 312.306,542.006 342.9,542.2 343.9,542.2 345,542.2 327.606,542.206 319.306,544.506 325.358,545.15 326.359,545.15 327.358,545.15 325.358,546.15 326.352,546.157 327.358,546.15 503.8,546.3 325.346,547.158 326.346,547.158 327.346,547.158 503.8,547.6 503.8,548.8 503.8,550.1 503.8,551.3 522,557.9 523.3,557.9 524.5,557.9 525.8,557.9 527,557.9 329.473,574.793 511.933,586.136 351.475,593.841 389.275,602.441 494.175,605.441 389.275,607.241 422.6,613 455.9,613.9 368.931,617.461 422.575,617.641 455.875,618.741 484.461,625.73 404.735,627.892 442.879,635.291
SWCLK: DD1.76 R3.1 VD2.1 | length 15.5
  Top Signal Layer w0.3: v1(339.8,543.7) 340,543.5 DD1.76@341.125,543.5 ; R3.1@342,553.975 v1(343.3,553.975) 343.675,553.975 VD2.1@344.15,553.5
  Bottom Signal Layer w0.3: v1(339.8,543.7) 339.8,550.475 v1(343.3,553.975)
SWDIO: DD1.72 R2.1 VD2.2 | length 15.2
  Top Signal Layer w0.3: R2.1@339.7,553.975 341.275,552.4 v1(344.2,552.4) 344.95,552.4 VD2.2@346.05,553.5 ; DD1.72@344.375,545.25 344.375,545.995 344.98,546.6 v1(345,546.6)
  Bottom Signal Layer w0.3: v1(344.2,552.4) 345,551.6 v1(345,546.6)
pads on no net: DA1. DA2.2 DA2.3 DA14.2 DA14.3 DA14.14 DA14.15 DA15.2 DA15.3 DA15.14 DA15.15 DA16.2 DA16.3 DA16.14 DA16.15 DA17.2 DA17.3 DA17.14 DA17.15 DA18.2 DA18.3 DA18.14 DA18.15 DA19.2 DA19.3 DA19.14 DA19.15 DA20.2 DA20.3 DA20.14 DA20.15 DA21.2 DA21.3 DA21.14 DA21.15 DA22.2 DA22.3 DA22.14 DA22.15 DA23.2 DA23.3 DA23.14 DA23.15 DA24.2 DA24.3 DA24.14 DA24.15 DA25.2 DA25.3 DA25.14 DA25.15 DD1.7 DD1.8 DD1.9 DD1.25 DD1.26 DD1.29 DD1.37 DD1.44 DD1.45 DD1.46 DD1.47 DD1.48 DD1.63 DD1.64 DD1.65 DD1.66 DD1.67 DD1.70 DD1.71 DD1.77 DD1.78 DD1.79 DD1.80 DD1.82 DD1.83 DD1.84 DD1.85 DD1.86 DD1.87 DD1.88 DD1.89 DD1.90 DD1.91 DD1.92 DD1.93 DD1.95 DD1.96 DD1.97 DD2.1 DD2.10 DD2.11 DD2.12 DD2.13 DD2.14 DD2.15 DD2.16 DD2.17 DD2.18 DD2.19 DD2.20 DD2.21 DD2.22 DD2.23 DD2.26 DD2.27 DD2.28 S1.2 S1.3 X4.2 X4.6 Z1.

## Polygon pours and split planes (outlines as drawn)
SGND on Top Signal Layer "Top Layer-No Net" (solid, remove dead copper, pour order 47): 362.447,527.947 362.447,521.4 366.1,521.4 366.1,527.947
NetVD3_4 on Top Signal Layer "Top Layer-No Net" (solid, remove dead copper, pour order 45): 303.679,546.3 303.679,537.8 289.959,537.8 289.959,555.4 313,555.4 313,547.7 311.6,547.7 311.6,551.9 301.9,551.9 301.9,547.4 301.9,546.3
3,3B on Top Signal Layer "Top Layer-No Net" (solid, remove dead copper, pour order 41): 526.6,518.2 513.672,518.2 513.672,512.4 516.213,512.4 524.3,510.2 526.7,511.52 526.7,518.2
SGND on Top Signal Layer "Top Layer-No Net" (solid, remove dead copper, pour order 17): 515.3,519.45 515.3,523.55 521.7,523.55 521.7,519.45
SGND on Top Signal Layer "Top Layer-No Net" (solid, remove dead copper, pour order 15): 516,530.45 516,534.55 522.4,534.55 522.4,530.45
SGND on Top Signal Layer "Top Layer-No Net" (solid, remove dead copper, pour order 13): 504.5,540.3 504.5,537.34 499.9,537.34 499.9,540.3
SGND on Top Signal Layer "Top Layer-No Net" (solid, remove dead copper, pour order 11): 508.7,540.4 514.1,540.4 514.1,537.2 508.7,537.2
SGND on Top Signal Layer "Top Layer-No Net" (solid, remove dead copper, pour order 9): 507.3,545.6 503.2,545.6 503.2,552 507.3,552
SGND on Top Signal Layer "Top Layer-No Net" (solid, remove dead copper, pour order 7): 521.3,554.4 521.3,558.5 527.7,558.5 527.7,554.4
5B on Top Signal Layer "Top Layer-No Net" (solid, remove dead copper, pour order 3): 511,524.5 522.6,524.5 522.6,520.8 526.1,520.8 526.1,530 511,530
5IN on Top Signal Layer "Top Layer-No Net" (solid, remove dead copper, pour order 1): 528.5,544 528.5,552.1 509.6,552.1 509.6,542.9 516.8,542.9 516.8,544.6 513.4,544.6 513.4,548.5 524,548.5 524,544
NetFU2_1 on Top Signal Layer "Top Layer-No Net" (solid, remove dead copper, pour order 0): 529,555.7 539.5,555.7 539.5,544 529,544
3,3B on Power Layer "Top Layer-No Net" (solid, remove dead copper, pour order 21): 525.5,518.25 509.753,518.25 499.25,518.25 499.25,553.2 515.3,553.2 515.3,559.3 539.5,559.3 539.5,642.097 535.015,642.121 430.058,649.74 285.595,649.739 284.916,521.4 284.916,501.033 320.642,445.192 362.009,426.041 540.362,426.041 539.5,518.25
SGND on Ground Layer "Top Layer-No Net" (solid, remove dead copper, pour order 19): 540.497,426.25 283.8,426.25 283.8,515.43 283.348,650 540,650
SGND on Bottom Signal Layer "Top Layer-No Net" (solid, remove dead copper, pour order 43): 345.549,539 339.5,539 339.5,542.8 345.549,542.8

## Keep-outs
Keep-Out Layer:
  lines w0.2: 289.5,505.621 289.5,570 290.342,571.67 291.58,574.359 295.03,582.01 296.596,585.254 298.135,588.232 299.626,590.918 301.124,593.433 302.621,595.772 304.14,597.984 305.691,600.09 307.277,602.097 308.895,604.007 310.723,606.015 312.611,607.944 314.604,609.838 316.685,611.68 318.853,613.467 321.118,615.208 323.488,616.906 325.951,618.551 328.524,620.151 331.232,621.723 334.056,623.249 337.02,624.742 340.178,626.226 343.505,627.684 347.098,629.158 351.007,630.663 355.493,632.296 366.541,636.209 369.087,637.202 370.342,637.746 370.865,638 373.202,638.851 375.532,639.668 379.768,641.071 383.958,642.354 388.102,643.517 392.203,644.565 396.261,645.498 400.279,646.319 404.257,647.029 408.197,647.631 412.102,648.126 415.972,648.514 419.808,648.798 423.613,648.979 427.389,649.058 431.135,649.034 434.855,648.91 438.549,648.686 442.219,648.362 445.867,647.937 449.493,647.414 453.1,646.79 456.33,646.144 459.547,645.416 462.751,644.607 465.942,643.715 469.123,642.741 472.294,641.684 475.455,640.542 478.616,639.313 481.761,638 485.602,636.396 489.885,634.537 493.899,632.706 497.672,630.888 501.224,629.077 504.596,627.254 507.779,625.429 510.809,623.584 513.672,621.732 516.393,619.858 518.975,617.965 521.417,616.057 523.741,614.12 525.939,612.165 528.013,610.191 529.978,608.188 531.834,606.157 533.581,604.104 535.223,602.025 536.761,599.918 538.159,597.847 539.5,595.686 539.5,481.153 538.706,479.714 537.889,478.316 536.598,476.249 535.215,474.196 533.759,472.185 532.233,470.222 530.63,468.295 528.962,466.42 527.237,464.604 525.261,462.665 523.374,460.937 521.4,459.246 519.321,457.581 517.128,455.936 514.819,454.315 512.366,452.702 509.753,451.092 506.943,449.468 503.837,447.786 500.31,445.99 496.378,444.099 486.558,439.608 483.147,438 480.32,436.817 477.478,435.7 473.986,434.427 470.476,433.255 466.949,432.184 463.402,431.213 459.834,430.342 456.605,429.642 453.356,429.023 450.087,428.484 446.798,428.025 443.486,427.646 440.152,427.348 436.793,427.13 433.409,426.994 429.998,426.94 426.56,426.968 423.093,427.079 419.596,427.274 416.068,427.554 412.508,427.92 408.914,428.373 405.286,428.914 401.623,429.544 397.922,430.266 394.184,431.079 390.406,431.987 386.588,432.99 382.729,434.09 378.826,435.289 374.856,436.597 370.865,438 368.664,438.775 365.04,439.954 358.038,442.202 353.499,443.728 349.392,445.192 345.549,446.654 341.983,448.104 338.662,449.55 335.506,451.024 332.473,452.545 329.56,454.111 326.806,455.697 324.172,457.323 321.657,458.987 319.255,460.69 316.95,462.443 314.743,464.241 312.644,466.076 310.641,467.955 308.728,469.883 306.898,471.867 305.154,473.902 303.525,475.952 302.004,478.02 300.66,479.998 299.348,482.08 298.125,484.176 296.937,486.391 295.759,488.788 294.621,491.316 293.495,494.056 292.431,496.888 289.5,505.621 ; 378.532,505.083 378.587,503.671 378.753,502.267 379.029,500.881 379.413,499.521 379.902,498.195 380.493,496.911 381.184,495.678 381.969,494.503 382.844,493.393 383.804,492.355 384.841,491.396 385.951,490.521 387.127,489.736 388.36,489.045 389.643,488.453 390.969,487.964 392.33,487.581 393.716,487.305 395.119,487.139 396.532,487.083 466.532,487.083 467.944,487.139 469.347,487.305 470.734,487.581 472.094,487.964 473.42,488.453 474.703,489.045 475.937,489.736 477.112,490.521 478.222,491.396 479.26,492.355 480.219,493.393 481.094,494.503 481.879,495.678 482.57,496.911 483.161,498.195 483.651,499.521 484.034,500.881 484.31,502.267 484.476,503.671 484.532,505.083 484.532,575.083 484.476,576.495 484.31,577.899 484.034,579.285 483.651,580.645 483.161,581.971 482.57,583.255 481.879,584.488 481.094,585.663 480.219,586.773 479.26,587.811 478.222,588.77 477.112,589.645 475.937,590.431 474.703,591.121 473.42,591.713 472.094,592.202 470.734,592.586 469.347,592.862 467.944,593.028 466.532,593.083 396.532,593.083 395.119,593.028 393.716,592.862 392.33,592.586 390.969,592.202 389.643,591.713 388.36,591.121 387.127,590.431 385.951,589.645 384.841,588.77 383.804,587.811 382.844,586.773 381.969,585.663 381.184,584.488 380.493,583.255 379.902,581.971 379.413,580.645 379.029,579.285 378.753,577.899 378.587,576.495 378.532,575.083 378.532,505.083

## Silkscreen, mask and mechanical layers (free items; w line width, h text height)
Top Overlay:
  lines w0.25: 535.2,549.5 535.2,537.3 ; 535.2,559.85 535.2,572.05 539.1,572.05 539.1,559.8 ; 539.1,549.55 539.1,537.3 535.2,537.3 ; 535.2,537.3 535.2,537.3
  text "17 sensor" at 454.671,631.088 h2 r182
  text "18 sensor" at 431.771,630.888 h2 r182
  text "16 sensor" at 471.894,626.377 h2 r162
  text "19 sensor" at 418.2,625 h2 r192
  text "20 sensor" at 395.832,620.6 h2 r192
  text "15 sensor" at 494.2,616.3 h2 r152
  text "14 sensor" at 514.6,603.661 h2 r142
  text "13 sensor" at 533.446,570.331 h2 r112
  text "Земля" at 538.1,562.8 h3 r90
  text "VCC" at 334.4,559.5 h1
  text "SWDIO" at 336.3,559.5 h1
  text "SWCLK" at 339,559.5 h1
  text "NRST" at 342,559.5 h1
  text "GND" at 344.7,559.5 h1
  text "Питание" at 537.9,539.2 h3 r90
  text "VCC" at 325.4,531.3 h1.52 r15
  text "VCC" at 327.9,525.4 h1.52 r15
  text "KEY" at 328.2,519.2 h1.52 r195
  text "1 sensor" at 313.072,512.582 h2 r282
  text "12 sensor" at 530.5,499.25 h2 r72
  text "2 sensor" at 330.89,481.513 h2 r322
  text "11 sensor" at 510.067,468.219 h2 r42
  text "3 sensor" at 357.5,467.1 h2 r342
  text "4 sensor" at 374.294,461.633 h2 r342
  text "5 sensor" at 391.394,455.933 h2 r342
  text "10 sensor" at 487.407,454.593 h2 r32
  text "6 sensor" at 409.9,451.5 h2 r352
  text "9 sensor" at 468.49,448.375 h2 r12
  text "7 sensor" at 428.8,444.7 h2 r352
  text "8 sensor" at 447.2,444 h2 r2

## Text inside footprints (layer, text, board x,y; h text height)
DA1: Bottom Overlay "RX" at 334.123,518.87 h1.52 r195; Bottom Overlay "KEY" at 329.051,517.512 h1.52 r195; Bottom Overlay "TX" at 323.599,538.827 h1.52 r195; Bottom Overlay "GND" at 327.994,540.004 h1.52 r195; Bottom Overlay "VCC" at 325.531,539.344 h1.52 r195